# Altium PCB pycyby.PcbDoc (part 2 of 2) (continued)
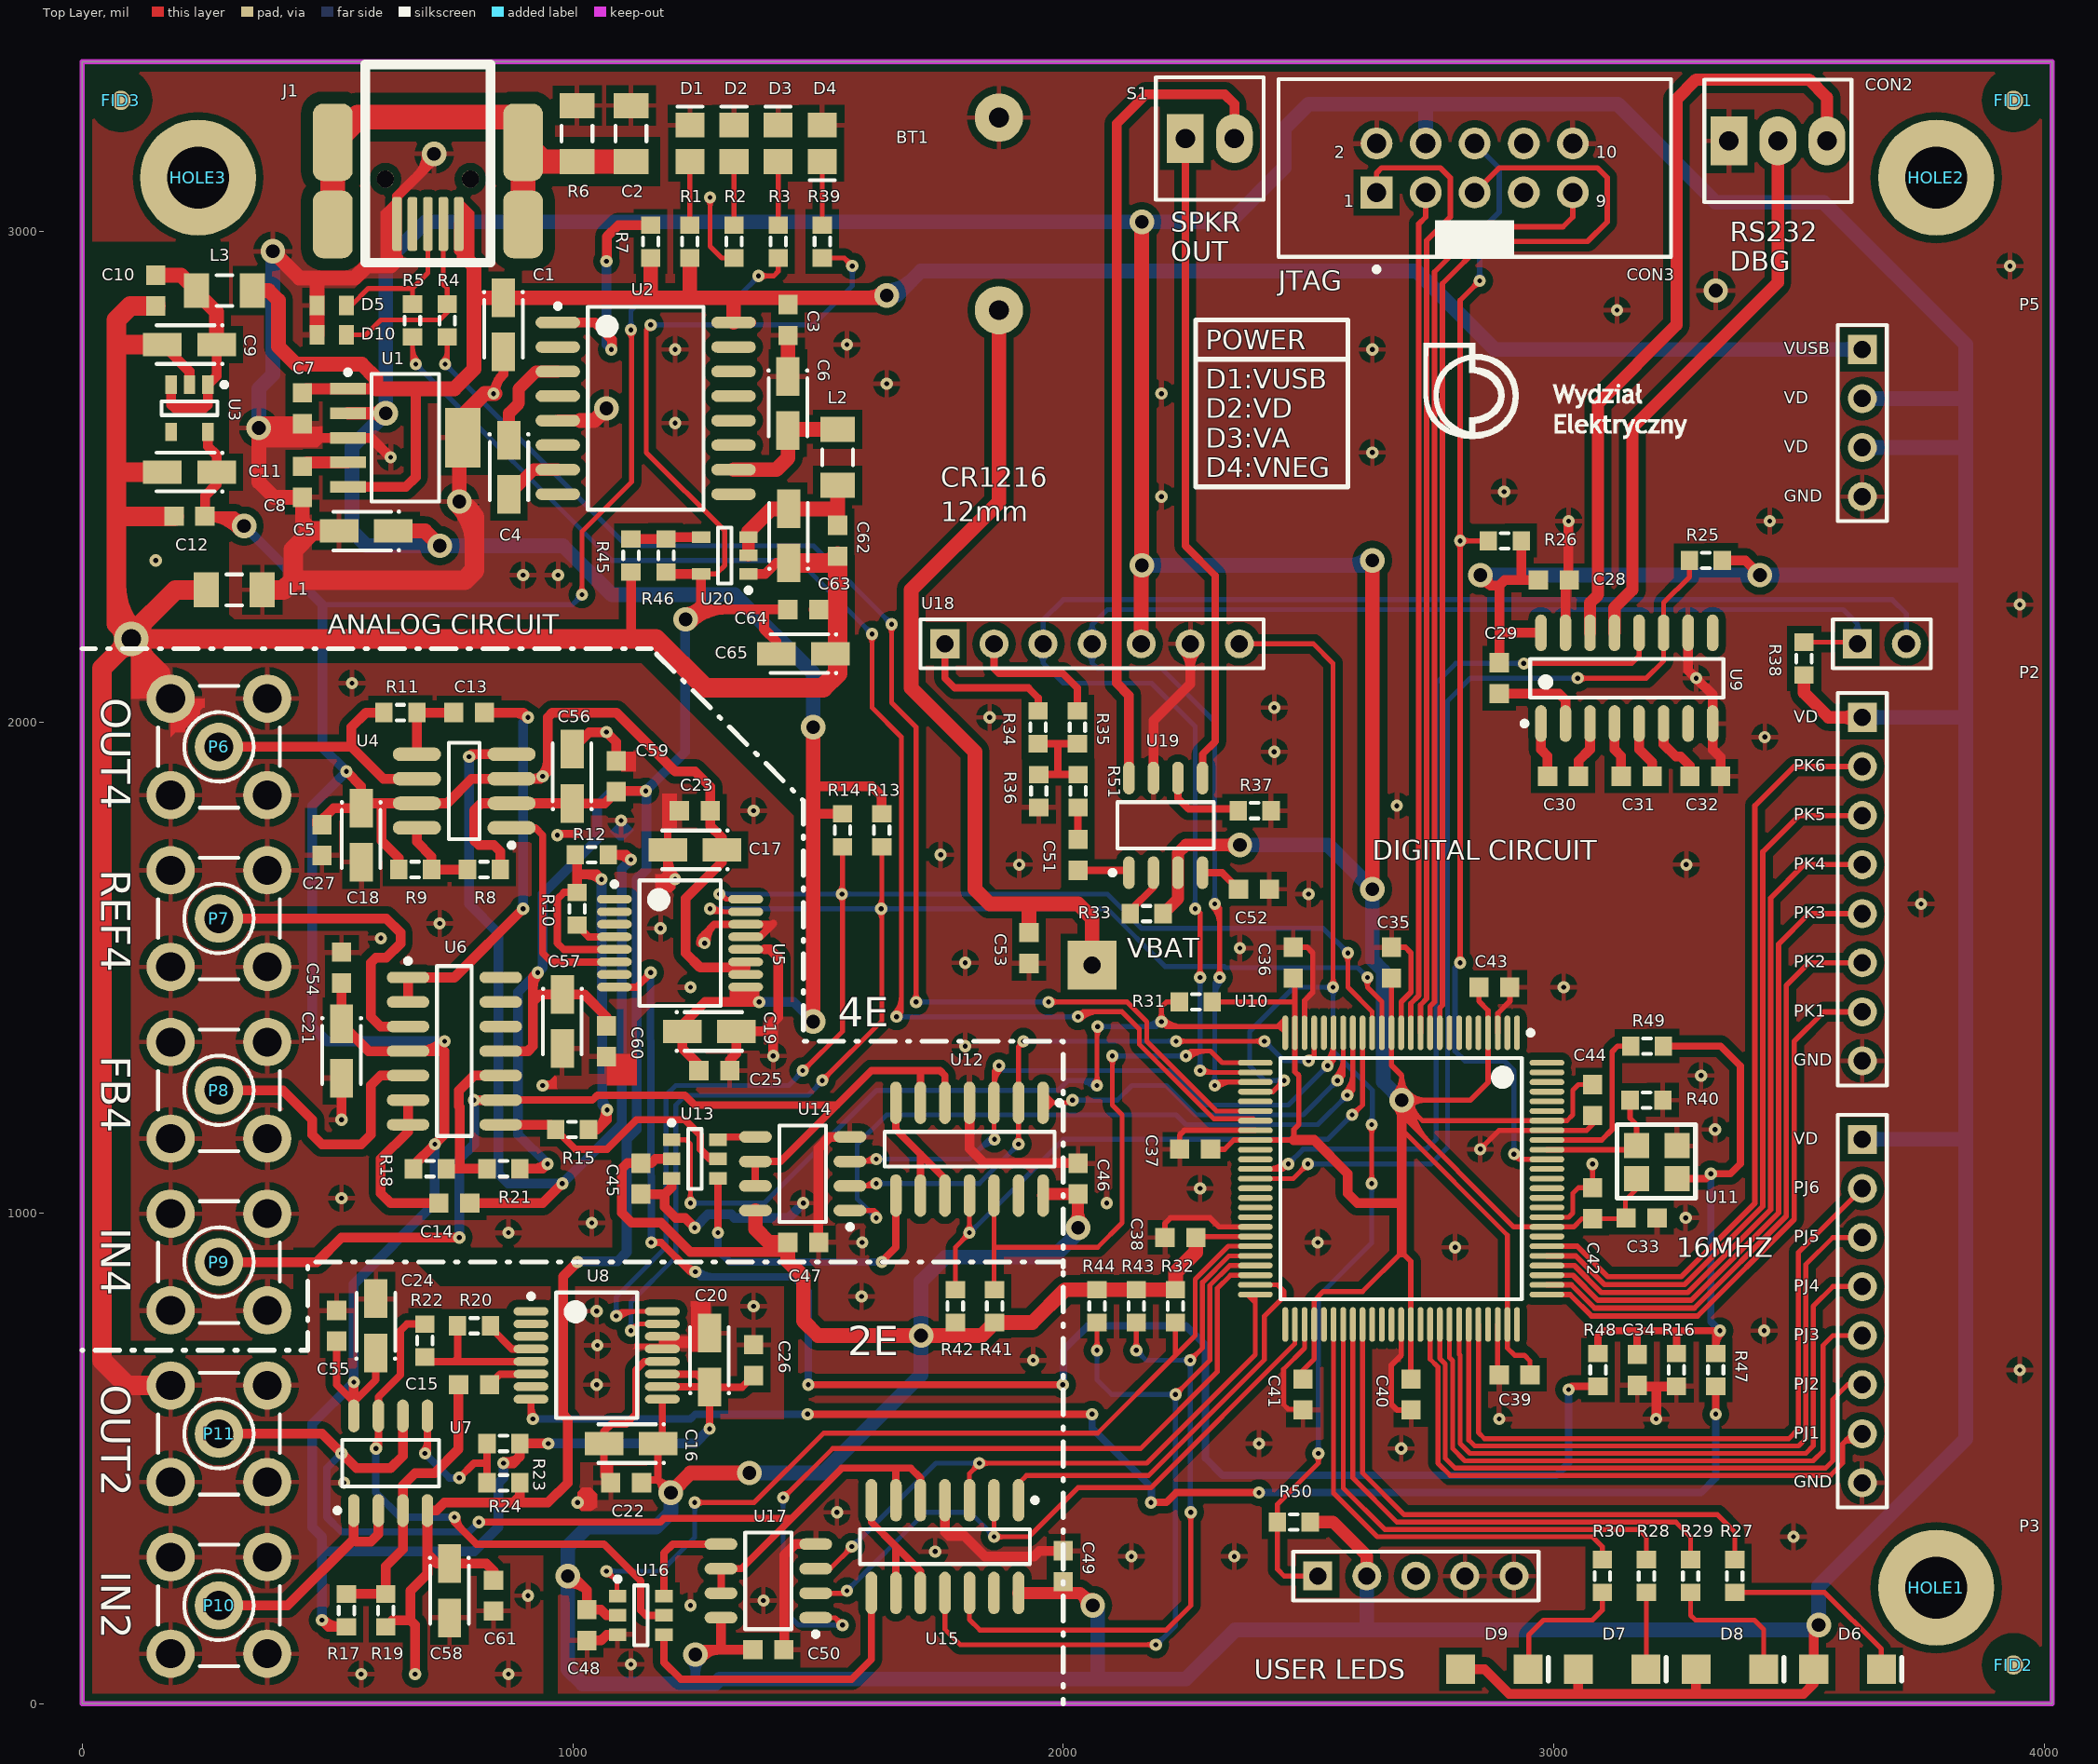
[diagram p0: Top Layer view]
## Nets (pads, with @x,y where several pads share a name; then routed paths per layer and width w, separated by ;. In a path a pad name is that pad's centre, name@x,y a point inside that pad or via, vN(x,y) a via of type N, cw(c..) or ccw(c..) an arc to the next point about the centre after c; other vN are vias at no path point) (continued)
  Bottom Layer w10: v1@1083.44,795.3 ccw(c1070.63,808.11) 1088.74,808.11 ccw(c1106.85,808.11) v1@1094.04,795.3 ; v1(1088.74,790) 1088.74,828.74 1190,930 1190,1240 1210,1260 1440,1260 v1@1470,1290 ; v1(1298.74,1650) v1(1548.74,1650) 2090,1650 2160,1580 2530,1580 v1(2580,1530) ; v1@1304.04,1644.7 cw(c1316.85,1631.89) 1316.85,1650 cw(c1316.85,1668.11) v1@1304.04,1655.3 ; 1455.05,1275.05 ccw(c1440.09,1290) v1@1461.24,1290 ; 1458.09,1278.09 cw(c1468.74,1267.43) v1@1468.74,1282.5 ; v1@1543.44,1644.7 ccw(c1530.63,1631.89) 1530.63,1650 ccw(c1530.63,1668.11) v1@1543.44,1655.3 ; v1@1554.04,1644.7 cw(c1566.85,1631.89) 1566.85,1650 cw(c1566.85,1668.11) v1@1554.04,1655.3 ; v1@2572.5,1530 ccw(c2554.39,1530) 2567.2,1542.8 ccw(c2580,1555.61) v1@2580,1537.5
SDA: R13.2 U5.15 U8.15 U10.15 | length 3354.9
  Top Layer w10: v1@1118.74,767.5 ccw(c1118.74,788.65) 1133.69,773.69 ; v1@1120,760 1133.98,773.98 U8.15@1182.6,773.98 ; v1@1126.24,760 cw(c1141.31,760) 1130.65,770.65 ; v1(1280,1620) 1286.02,1613.98 U5.15@1352.6,1613.98 ; v1@1285.3,1625.3 ccw(c1312.65,1652.65) 1312.65,1613.98 ; v1(1508.74,1270) 1630,1391.26 R13.2@1630,1746.54 ; v1@1508.74,1277.5 ccw(c1508.74,1295.61) 1521.54,1282.8 ccw(c1534.35,1270) v1@1516.24,1270 ; v1@1623.44,1614.7 cw(c1607.59,1598.85) 1630,1598.85 ; v1@1623.44,1625.3 ccw(c1607.59,1641.15) 1630,1641.15 ; 1630,1604.93 cw(c1643.81,1604.93) v1@1634.04,1614.7 ; 1630,1635.07 ccw(c1643.81,1635.07) v1@1634.04,1625.3 ; v1@2614.7,1474.7 cw(c2601.89,1461.89) 2620,1461.89 cw(c2638.11,1461.89) v1@2625.3,1474.7 ; v1(2620,1480) 2620,1460 2649.37,1430.63 U10.15@2649.37,1367.24
  Bottom Layer w10: v1@1113.44,765.3 ccw(c1100.63,778.11) 1118.74,778.11 ccw(c1136.85,778.11) v1@1124.04,765.3 ; v1(1118.74,760) 1118.74,818.74 1210,910 1210,1220 1230,1240 1480,1240 v1@1510,1270 ; v1(1280,1620) 2090,1620 2207.5,1502.5 2328.06,1502.5 2330.56,1500 2600,1500 v1(2620,1480) ; v1@1285.3,1614.7 cw(c1298.11,1601.89) 1298.11,1620 cw(c1298.11,1638.11) v1@1285.3,1625.3 ; 1495.05,1255.05 ccw(c1480.09,1270) v1@1501.24,1270 ; 1498.09,1258.09 cw(c1508.74,1247.43) v1@1508.74,1262.5 ; v1@1623.44,1614.7 ccw(c1610.63,1601.89) 1610.63,1620 ccw(c1610.63,1638.11) v1@1623.44,1625.3 ; v1@1634.04,1614.7 cw(c1646.85,1601.89) 1646.85,1620 cw(c1646.85,1638.11) v1@1634.04,1625.3 ; v1@2612.5,1480 ccw(c2594.39,1480) 2607.2,1492.8 ccw(c2620,1505.61) v1@2620,1487.5
  other v1: 1628.74,1620
SHIELD: C2.2 J1.6 J1.7 J1.8 J1.9 R6.2 | length 1024.4
  Top Layer w50: J1.8@510.83,3014.76 J1.9@510.83,3182.09 562.27,3233.53 886.47,3233.53 898.62,3221.38 J1.7@898.62,3182.09 ; J1.6@898.62,3014.76 J1.7@898.62,3182.09 ; C2.2@1118.74,3142.91 R6.2@1008.74,3142.91 937.8,3142.91 J1.7@898.62,3182.09
TCK: CON3.1 U10.11 | length 1970.4
  Top Layer w11: CON3.1@2638.58,3079.92 2638.58,3119.84 2648.74,3130 2768.74,3130 2788.74,3110 2788.74,3030 2740.74,2982 2740.74,1436.75 2728.11,1424.12 U10.11@2728.11,1367.24
TDI: CON3.9 U10.10 | length 1932.7
  Top Layer w11: U10.10@2747.8,1367.24 2747.8,1421.17 2756.74,1430.12 2756.74,2918 2848.74,3010 3018.74,3010 3038.58,3029.84 CON3.9@3038.58,3079.92
TDO: CON3.3 U10.12 | length 1725.2
  Top Layer w11: U10.12@2708.43,1367.24 2708.43,1427.06 2724.74,1443.37 2724.74,3016 2738.58,3029.84 CON3.3@2738.58,3079.92
TMS: CON3.5 U10.9 | length 2306.3
  Top Layer w11: U10.9@2767.48,1367.24 2767.48,1418.23 2772.74,1423.49 2772.74,2894 2858.74,2980 3068.74,2980 3108.74,3020 3108.74,3110 3088.74,3130 2888.66,3130 CON3.5@2838.58,3079.92
USB.DN_USB: R4.2 U10.31 | length 3009.3
  Top Layer w10: v1@734.7,2735.3 ccw(c712.01,2757.99) 744.09,2757.99 ; v1(740,2730) 744.09,2734.09 R4.2@744.09,2785.43 ; v1@1644.7,2194.7 cw(c1631.89,2181.89) 1650,2181.89 cw(c1668.11,2181.89) v1@1655.3,2194.7 ; v1(1650,2200) 1650,2040 1700,1990 v1(1700,1430) ; v1@1694.7,1435.3 ccw(c1681.89,1448.11) 1700,1448.11 ccw(c1718.11,1448.11) v1@1705.3,1435.3 ; v1(1970,1430) 2130,1430 2170,1390 2170,1350 2312.2,1207.8 U10.31@2391.5,1207.8 ; v1@1975.3,1424.7 cw(c1988.11,1411.89) 1988.11,1430 cw(c1988.11,1448.11) v1@1975.3,1435.3
  Bottom Layer w10: v1@740,2722.5 cw(c740,2704.39) 752.8,2717.2 cw(c765.61,2730) v1@747.5,2730 ; v1(740,2730) 1110,2360 1491.21,2360 1491.21,2358.79 v1(1650,2200) ; v1@1642.5,2200 ccw(c1624.39,2200) 1637.2,2212.8 ccw(c1650,2225.61) v1@1650,2207.5 ; v1(1700,1430) v1(1970,1430) ; v1@1705.3,1424.7 cw(c1718.11,1411.89) 1718.11,1430 cw(c1718.11,1448.11) v1@1705.3,1435.3 ; v1@1964.7,1424.7 ccw(c1951.89,1411.89) 1951.89,1430 ccw(c1951.89,1448.11) v1@1964.7,1435.3
USB.DP_USB: R5.2 U10.32 | length 3209.1
  Top Layer w10: 673.23,2764.45 ccw(c714.45,2764.45) v1@685.3,2735.3 ; R5.2@673.23,2785.43 673.23,2736.77 v1(680,2730) ; v1@1604.7,2174.7 cw(c1591.89,2161.89) 1610,2161.89 cw(c1628.11,2161.89) v1@1615.3,2174.7 ; v1(1610,2180) 1610,2030 1670,1970 1670,1410 ; v1@1654.7,1405.3 ccw(c1617.75,1442.25) 1670,1442.25 ; v1(1660,1400) 1670,1410 ; v1@1661.42,1407.37 ccw(c1663.22,1416.78) 1670,1410 ; v1@1661.77,1398.23 ccw(c1641.89,1418.11) 1670,1418.11 ; v1@1667.37,1401.42 cw(c1676.77,1403.22) 1670,1410 ; v1@2028.23,1401.77 cw(c2048.11,1381.89) 2048.11,1410 ; v1(2030,1400) 2040,1410 ; v1@2031.42,1407.37 ccw(c2033.22,1416.78) 2040,1410 ; v1@2035.3,1394.7 cw(c2072.25,1357.75) 2072.25,1410 ; v1@2037.37,1401.42 cw(c2046.77,1403.22) 2040,1410 ; U10.32@2391.5,1188.11 2387.72,1191.89 2306.9,1191.89 2155,1343.79 2155,1375 2120,1410 2040,1410
  Bottom Layer w10: v1@680,2722.5 cw(c680,2704.39) 692.8,2717.2 cw(c705.61,2730) v1@687.5,2730 ; v1(680,2730) 1080,2330 1460,2330 v1(1610,2180) ; v1@1602.5,2180 ccw(c1584.39,2180) 1597.2,2192.8 ccw(c1610,2205.61) v1@1610,2187.5 ; v1(1660,1400) v1(2030,1400) ; v1@1665.3,1394.7 cw(c1678.11,1381.89) 1678.11,1400 cw(c1678.11,1418.11) v1@1665.3,1405.3 ; v1@2024.7,1394.7 ccw(c2011.89,1381.89) 2011.89,1400 ccw(c2011.89,1418.11) v1@2024.7,1405.3
VA: C11.1 C12.2 C17.1 C18.1 C20.1 C21.1 C23.2 C24.1 C26.2 C27.2 C54.2 C55.2 R3.2 R9.1 R17.1 R18.1 R23.1 U3.5 U4.3 U4.7 U5.10 U5.11 U6.4 U7.8 U8.10 U8.11 | length 8906.2
  Top Layer w10: v1@1013.44,2265.3 ccw(c1000.63,2278.11) 1018.74,2278.11 ccw(c1036.85,2278.11) v1@1024.04,2265.3 ; v1(1018.74,2260) 1018.74,2388.74 1120,2490 v1@1120,2800 ; v1@1113.44,2794.7 cw(c1097.59,2778.85) 1120,2778.85 ; 1120,2784.93 cw(c1133.81,2784.93) v1@1124.04,2794.7 ; v1(1378.74,2910) 1410,2910 1418.74,2918.74 R3.2@1418.74,2946.54 ; v1@1384.04,2904.7 cw(c1396.85,2891.89) 1396.85,2910 cw(c1396.85,2928.11) v1@1384.04,2915.3
  Top Layer w15: C55.2@518.74,738.5 518.74,650 U7.8@553.74,615 ; U7.8@553.74,586.46 U7.8@553.74,615 ; C24.1@598.74,714.88 598.74,660 U7.8@553.74,615 ; U8.10@1182.6,646.02 1277.6,646.02 1252.01,671.61 U8.11@1182.6,671.61 ; v1(1278.74,560) C20.1@1278.74,644.88 1345.12,644.88 C26.2@1368.74,668.5
  Top Layer w20: U3.5@256.14,2591.77 256.14,2562.6 273.86,2544.88 C11.1@273.86,2510 273.86,2485.12 250.24,2461.5 C12.2@250.24,2420 ; 295.82,2420 cw(c295.82,2368.55) v2@333.68,2403.39 ; v2@315.27,2402.83 ccw(c296.45,2406.45) 310,2420 ; v2@318.96,2389.84 ccw(c250.24,2326.62) C12.2@250.24,2420 ; v2@327.17,2414.73 cw(c323.55,2433.55) 310,2420 ; v2(330,2400) 310,2420 ; C27.2@478.74,1800 478.74,1791.5 512.36,1825.12 C18.1@558.74,1825.12 ; v1(488.74,170) 502.2,156.54 R17.1@538.74,156.54 ; v1@490.51,171.77 ccw(c527.28,208.54) R17.1@527.28,156.54 ; C54.2@528.74,1468.5 C21.1@528.74,1385.12 583.86,1330 U6.4@664.25,1330 738.74,1330 738.74,1160 v1(718.74,1140) 675.28,1096.54 R18.1@675.28,1090 ; v1(538.74,1900) 568.74,1870 C18.1@568.74,1835 ; U7.8@553.74,615 v1(553.74,655) ; C18.1@568.74,1825.12 C18.1@568.74,1835 ; 610,1835 610,1758.74 645.28,1723.46 R9.1@645.28,1700 ; U6.4@684.42,1330 ccw(c684.42,1404.32) v1@736.97,1351.77 ; v1(858.74,490) 878.74,490 892.2,503.46 ; v1@859.1,492.47 ccw(c864.7,530.97) 892.2,503.46 ; U4.3@920.63,1885 ccw(c920.63,1908.11) 936.97,1891.77 ccw(c908.56,1920.18) 948.74,1920.18 ; v1(950,530) R23.1@892.2,530 892.2,503.46 ; 1352.6,1500 1260,1500 1230,1530 1230,1641.26 1303.86,1715.12 C17.1@1303.86,1740 1303.86,1764.88 1280.24,1788.5 C23.2@1280.24,1820 1280.24,1868.5 1248.74,1900 1208.74,1900 1088.74,2020 958.74,2020 948.74,2010 948.74,1900 933.74,1885 U4.3@875.2,1885 793.74,1885 743.74,1835 U4.7@682.28,1835 C18.1@568.74,1835 ; C12.2@250.24,2420 310,2420
  Bottom Layer w10: 490,2240 1000,2240 v1@1020,2260 ; 1005.05,2245.05 ccw(c990.09,2260) v1@1011.24,2260 ; 1008.09,2248.09 cw(c1018.74,2237.43) v1@1018.74,2252.5 ; v1@1113.44,2805.3 ccw(c1100.63,2818.11) 1118.74,2818.11 ccw(c1136.85,2818.11) v1@1124.04,2805.3 ; v1(1118.74,2800) 1118.74,2838.74 1150,2870 1340,2870 v1@1379.37,2909.37 ; 1365.05,2895.05 ccw(c1350.09,2910) v1@1371.24,2910 ; 1368.09,2898.09 cw(c1378.74,2887.43) v1@1378.74,2902.5
  Bottom Layer w20: v2(330,2400) 490,2240 490,1948.74 v1(538.74,1900) 468.74,1830 468.74,1380 498.74,1350 v1(738.74,1350) ; v1(488.74,170) 488.74,310 ; v1(718.74,1140) 718.74,1020 553.74,855 v1(553.74,655) 468.74,570 468.74,360 488.74,340 488.74,310 ; v1(858.74,490) 858.74,460 848.74,450 848.74,360 798.74,310 488.74,310 ; v1(950,530) 1248.74,530 v1(1278.74,560)
  other v1: 938.74,1890
VBAT: BT1.1 C53.2 U18.15 | length 1725.7
  Top Layer w30: BT1.1@1868.74,2840 1868.74,2448.74 1690,2270 1690,2070 1820,1940 1820,1660 1850,1630 1930,1630 ; C53.2@1930,1571.5 1930,1630 ; U18.15@2058.74,1505 2058.74,1601.26 2030,1630 1930,1630
VD: C5.1 C16.1 C19.1 C22.2 C25.2 C28.2 C29.2 C33.2 C35.2 C36.2 C37.2 C38.2 C39.2 C40.2 C41.2 C42.2 C43.2 C44.2 C45.2 C46.2 C47.2 C48.2 C49.2 C50.2 CON3.4 D6.1 D7.1 D8.1 D9.1 P2.1 P3.1 P5.2 P5.3 R2.2 R13.1 R14.1 R25.2 R26.2 R31.2 R32.2 R33.1 R38.2 R41.2 R42.2 R43.2 R44.2 R50.1 U1.2 U5.9 U8.9 U9.16 U10.4 U10.14 U10.24 U10.34 U10.44 U10.54 U10.64 U10.74 U10.83 U10.94 U11.4 U12.14 U13.2 U14.8 U15.14 U16.2 U17.8 U18.5 U18.9 U19.3 | length 29773.2
  Top Layer w10: v1@1274.7,3064.7 cw(c1261.89,3051.89) 1280,3051.89 cw(c1298.11,3051.89) v1@1285.3,3064.7 ; v1(1280,3070) 1280,2970 1303.46,2946.54 R2.2@1328.74,2946.54 ; R31.2@2303.46,1430 2472.2,1430 ; C41.2@2488.74,661.5 2488.74,680 2511.57,702.83 U10.54@2511.57,772.76 2511.57,821.57 2530,840 2610,840 2690,920 ; v2@2680,1230 ccw(c2728.28,1230) 2694.14,1195.86 ; 2690,1170 2905.28,954.72 U10.74@2905.28,772.76 2905.28,724.72 2920,710 2940,710 2951.5,698.5 C39.2@2951.5,670 ; 2690,1200 2918.43,971.57 U10.83@2985.98,971.57 3040.31,971.57 3057.24,988.5 C42.2@3078.74,988.5 3145.75,988.5 3145.75,1025.75 3168.74,1048.74 U11.4@3168.74,1070 ; v2@2690,1210 cw(c2690,1161.72) 2724.14,1195.86 cw(c2758.28,1230) 2710,1230 ccw(c2830.71,1230) 2745.36,1144.64 ; v2@2700,1230 ccw(c2796.57,1230) 2728.28,1161.72 ; 2711.21,1178.79 cw(c2762.43,1230) v2(2690,1230) 2731.89,1188.11 U10.94@2985.98,1188.11 3026.85,1188.11 3038.74,1200 3038.74,1250 3050.24,1261.5 C44.2@3078.74,1261.5
  Top Layer w11: C38.2@2270.24,950 2272.13,951.89 U10.44@2391.5,951.89 ; C37.2@2300.24,1130 2328.74,1130 2347.48,1148.74 U10.34@2391.5,1148.74 2470,1148.74 2470,1170 2480,1180 2480,1280 2472.2,1287.8 U10.24@2472.2,1367.24 2472.2,1430 2472.2,1475.04 C36.2@2468.74,1478.5 ; C35.2@2668.74,1478.5 2669.06,1478.19 U10.14@2669.06,1367.24 2669.06,1300.94 2690,1280 v2(2690,1230) 2830,1230 2865.91,1265.91 U10.4@2865.91,1367.24 2865.91,1412.83 2847.24,1431.5 C43.2@2847.24,1460 ; v2@2676.21,1243.79 ccw(c2642.92,1277.08) 2690,1277.08 ccw(c2737.08,1277.08) 2703.79,1243.79 ccw(c2737.08,1277.08) 2737.08,1230 ccw(c2737.08,1182.92) v2@2703.79,1216.21 ; 2690,920 2708.43,901.57 U10.64@2708.43,772.76 2708.43,661.81 C40.2@2708.74,661.5
  Top Layer w15: C22.2@1140.24,450 1146.38,456.14 1173.86,456.14 ; v2@1182.59,431.73 ccw(c1152.44,434.72) 1173.86,456.14 ; U8.9@1182.6,620.43 1182.6,538.74 C16.1@1173.86,530 1173.86,456.14 ; v2@1198.27,447.41 cw(c1195.28,477.56) 1173.86,456.14 ; v2(1200,430) 1173.86,456.14
  Top Layer w20: v2(990,260) 1000,260 1028.74,231.26 ; v2@991.22,245.05 cw(c995.07,197.6) 1028.74,231.26 ; U16.2@1091.5,180 1068.74,180 1057.24,191.5 C48.2@1028.74,191.5 1028.74,231.26 ; U13.2@1201.5,1110 1168.74,1110 1160.24,1101.5 C45.2@1138.74,1101.5 1111.5,1101.5 1100,1090 1100,1000 1120,980 1180,980 1239.25,920.75 C47.2@1438.5,920.75 ; v2(1250,100) 1260,110 1300,110 ; C25.2@1257.24,1290 1257.24,1301.5 1223.62,1335.12 C19.1@1223.62,1370 1223.62,1383.62 1270,1430 v1(1380,1430) ; v2@1262,91 cw(c1300,62.5) 1300,110 ; U17.8@1302.28,175 1302.28,112.28 1300,110 ; C50.2@1367.24,110 1300,110 ; 1490,1810 1493.46,1813.46 R14.1@1550,1813.46 ; 1490,1870 1610,1870 1630,1850 R13.1@1630,1813.46 ; 2470,1148.74 2511.26,1148.74 2580,1080 2580,1040 2600,1020 2690,1020 ; v2@2679.39,1219.39 cw(c2653.79,1193.79) 2690,1193.79 cw(c2726.21,1193.79) v2@2700.61,1219.39 ; 2690,920 2690,1020 ; v2(2690,1230) 2690,1200 ; D9.1@2809.84,70 2858.74,70 2908.74,20 3048.74,20 ; v2(2850,2300) 2871.26,2278.74 ; v2@2852.1,2285.15 cw(c2855.26,2262.74) 2871.26,2278.74 ; v2@2864.85,2297.9 ccw(c2887.26,2294.74) 2871.26,2278.74 ; C29.2@2888.74,2121.5 2888.74,2180 ; R26.2@2933.46,2360 2933.46,2290.79 2934.25,2290 ; C28.2@2968.5,2290 2934.25,2290 ; U9.16@2973.74,2182.52 2891.26,2182.52 2888.74,2180 ; D7.1@3049.84,70 3049.84,21.1 3048.74,20 ; D8.1@3289.84,70 3289.84,21.1 3288.74,20 ; R25.2@3343.46,2330 3390,2330 v2(3420,2300) ; v2(3540,160) 3529.84,149.84 D6.1@3529.84,70 3529.84,41.1 3508.74,20 3288.74,20 ; 2690,1020 2690,1170 2690,1200 ; 2690,1200 ccw(c2667.5,1200) 2681,1218 cw(c2667.5,1200) 2690,1200 ; 2690,1200 cw(c2712.5,1200) 2699,1218 ccw(c2712.5,1200) 2690,1200 ; 2871.26,2278.74 2888.74,2278.74 ; 2888.74,2180 2888.74,2278.74 ; 2888.74,2278.74 2900,2290 2934.25,2290 ; 3048.74,20 3288.74,20
  Top Layer w25: U1.2@541.61,2630 v2(618.74,2630) ; v2@609.9,2621.16 ccw(c588.56,2599.82) 588.56,2630 ccw(c588.56,2660.18) v2@609.9,2638.84 ; U15.14@1908.74,225.51 2034.49,225.51 v2(2060,200) ; U12.14@1958.74,1035.51 1961.73,1038.5 C46.2@2030,1038.5 v2(2030,970) ; v2@2021.16,978.84 ccw(c1999.82,1000.18) 2030,1000.18 ccw(c2060.18,1000.18) v2@2038.84,978.84 ; v2@2047.5,200 ccw(c2017.32,200) 2038.66,221.34 ccw(c2060,242.68) v2@2060,212.5 ; R33.1@2203.46,1610 2233.74,1640.28 U19.3@2233.74,1693.54 2233.74,1733.74 2250,1750 v2(2360,1750) ; v2@2351.16,1741.16 ccw(c2329.82,1719.82) 2329.82,1750 ccw(c2329.82,1780.18) v2@2351.16,1758.84 ; R50.1@2503.46,370 2550,370 2618.74,301.26 U18.9@2618.74,260 ; R38.2@3510,2096.54 3510,2060 3560,2010 P2.1@3628.74,2010 ; P2.1@3616.7,1997.96 ccw(c3587.63,1968.89) 3587.63,2010 ccw(c3587.63,2051.11) P2.1@3616.7,2022.04
  Top Layer w30: C5.1@633.86,2390 698.74,2390 v2(728.74,2360) ; v2(1200,430) 1240,470 v2(1360,470) ; U14.8@1372.28,1005 1372.28,967.72 1400,940 C47.2@1438.5,940 1438.5,920.75 1438.5,901.5 1470,870 1470,780 1500,750 v2(1710,750) 1780,750 ; v2(1490,1390) 1490,1810 1490,1870 v2(1490,1990) ; R42.2@1780,776.54 1780,750 ; U18.5@2158.74,2160 2158.74,2318.74 v2(2160,2320) v2(2160,3020) ; 2158.74,2292.82 cw(c2187.18,2292.82) v2@2167.07,2312.93 ; C38.2@2270.24,950 2270.24,920.24 2228.74,878.74 R32.2@2228.74,843.46 R43.2@2148.74,843.46 R44.2@2068.74,843.46 2003.46,843.46 1936.54,776.54 R41.2@1860,776.54 1833.46,750 1780,750 ; v2(2630,1660) v2(2630,2330)
  Bottom Layer w10: v1@1274.7,3064.7 cw(c1261.89,3051.89) 1280,3051.89 cw(c1298.11,3051.89) v1@1285.3,3064.7 ; 1280,3020 v1(1280,3070)
  Bottom Layer w20: v2@1239.39,89.39 cw(c1213.79,63.79) 1250,63.79 cw(c1286.21,63.79) v2@1260.61,89.39 ; 1250,40 v2(1250,100) ; v1(1380,1430) 1450,1430 v2(1490,1390)
  Bottom Layer w30: v2(1200,430) 1200,390 1170,360 1030,360 990,320 v2(990,260) 990,70 1020,40 1250,40 1290,40 1300,50 2070,50 ; v2(1360,470) 1510,470 1710,670 v2(1710,750) 1710,860 1760,910 1980,910 2030,960 v2(2030,970) v2@2030,980 ; v2(1490,1990) 1490,2100 1330,2260 1080,2260 980,2360 v2(728.74,2360) 580,2360 550,2390 550,2561.26 v2(618.74,2630) 618.74,2938.74 700,3020 1280,3020 v2@2150,3020 ; v2(2060,200) 2070,190 2070,50 ; v2@2147.5,3017.5 v2@2150,3020 ; v2(2160,2320) 2620,2320 v2(2630,2330) ; v2(2360,1750) 2540,1750 v2(2630,1660) 2630,1515.96 2652.5,1493.46 2652.5,1267.5 v2(2690,1230) ; U18.9@2618.74,260 2618.74,151.26 2620,150 ; CON3.4@2738.58,3179.92 2738.58,3258.58 2740,3260 ; v2(2850,2300) v2(3420,2300) 3840,2300 ; P3.1@3628.74,1150 3840,1150 ; P2.1@3628.74,2010 3840,2010 ; P5.3@3628.74,2560 3840,2560 ; P5.2@3628.74,2660 3830,2660 3840,2650 ; P3.1@3639.01,1139.73 cw(c3663.81,1114.93) 3663.81,1150 cw(c3663.81,1185.07) P3.1@3639.01,1160.27 ; P2.1@3639.01,1999.73 cw(c3663.81,1974.93) 3663.81,2010 cw(c3663.81,2045.07) P2.1@3639.01,2020.27 ; 2070,50 2250,50 2350,150 2620,150 ; v2@2150,3020 v2(2160,3020) 2340,3020 2450,3130 2450,3210 2500,3260 2740,3260 ; 2620,150 3530,150 v2(3540,160) 3540,240 3840,540 3840,1150 ; 2740,3260 3130,3260 3330,3060 3550,3060 3840,2770 3840,2650 ; 3840,1150 3840,2010 ; 3840,2010 3840,2300 ; 3840,2300 3840,2560 ; 3840,2560 3840,2650 ; 2581.72,2320 ccw(c2581.72,2378.28) 2622.93,2337.07 cw(c2581.72,2378.28) 2581.72,2320
VNEG: C56.1 C57.1 C58.1 C59.2 C60.2 C61.2 C64.1 C65.2 R8.2 R19.2 R21.2 R24.2 R39.1 R46.2 U4.2 U6.11 U7.4 U20.5 | length 6793.7
  Top Layer w10: v1@1151.68,2807.47 cw(c1144.94,2805.06) 1150,2800 ; v1@1157.69,2802.57 ccw(c1156.43,2793.57) 1150,2800 ; v1@1160,2810 1150,2800 ; U20.5@1261.77,2302.6 1292.6,2302.6 1310,2320 1310,2390 1150,2550 1150,2800 ; R39.1@1508.74,2946.54 1553.46,2946.54 v1(1570,2930) ; v1@1562.5,2930 ccw(c1544.39,2930) 1557.2,2942.8 ccw(c1570,2955.61) v1@1570,2937.5
  Top Layer w20: R19.2@618.74,156.54 632.2,170 668.74,170 ; v1(678.74,60) 678.74,160 668.74,170 ; C61.2@838.74,251.5 838.74,270 823.62,285.12 C58.1@748.74,285.12 723.62,285.12 703.74,305 ; R8.2@852.2,1700 852.2,1736.54 838.74,1750 808.74,1750 798.74,1760 798.74,1820 813.74,1835 U4.2@875.2,1835 998.62,1835 C56.1@998.74,1834.88 1065.12,1834.88 C59.2@1088.74,1858.5 1090.24,1860 v1(1148.74,1860) ; U6.11@853.23,1330 908.74,1330 918.74,1340 918.74,1430 ; R24.2@892.2,450 892.2,423.46 878.74,410 ; R21.2@892.2,1090 938.74,1090 v1(948.74,1100) ; 918.56,1090 ccw(c918.56,1130.18) v1@946.97,1101.77 ; 918.74,1459.82 cw(c958.92,1459.82) v1@930.51,1488.23 ; 918.74,1475.86 cw(c930.49,1475.86) v1@929.05,1487.52 ; v1(928.74,1490) 918.74,1480 918.74,1430 ; v1(1010,900) 980,870 980,590 990,580 990,450 970,430 968.74,430 948.74,410 878.74,410 ; C60.2@1068.74,1381.5 1068.74,1400 1023.62,1445.12 C57.1@978.74,1445.12 933.86,1445.12 918.74,1430 ; R46.2@1190,2306.54 1193.94,2302.6 U20.5@1261.77,2302.6 1261.77,2241.77 1250,2230 ; v2@1226.46,2213.54 cw(c1266.21,2173.79) 1266.21,2230 ; v2@1230,2225 ccw(c1230,2261.21) 1255.61,2235.61 ccw(c1281.21,2210) v2@1245,2210 ; v2@1232.83,2224.73 ccw(c1236.45,2243.55) 1250,2230 ; v2@1240.61,2199.39 cw(c1314.5,2125.5) 1314.5,2230 ; v2@1244.73,2212.83 cw(c1263.55,2216.45) 1250,2230 ; C65.2@1414.88,2140 1414.88,2165.12 1390,2190 1390,2230 ; C64.1@1438.5,2230 1390,2230 ; 668.74,170 668.74,230 703.74,265 703.74,305 ; 703.74,305 U7.4@703.74,393.54 722.28,393.54 738.74,410 878.74,410 ; 1250,2230 1390,2230
  Bottom Layer w10: v1(1158.74,2810) 1490,2810 1570,2890 v1(1570,2930) ; v1@1164.04,2804.7 cw(c1176.85,2791.89) 1176.85,2810 cw(c1176.85,2828.11) v1@1164.04,2815.3 ; v1@1564.7,2924.7 cw(c1551.89,2911.89) 1570,2911.89 cw(c1588.11,2911.89) v1@1575.3,2924.7
  Bottom Layer w20: v1(948.74,1100) 888.74,1160 888.74,1450 v1(928.74,1490) 938.74,1500 938.74,1650 1050,1761.26 1050,1830 1080,1860 v1(1148.74,1860) ; v1@1010,901.26 1091.26,901.26 1110,920 1110,1150 1130,1170 1130,1680 1150,1700 1150,1858.74 v1(1148.74,1860) ; v2(1230,2210) 1228.74,2208.74 1228.74,1940 v1(1148.74,1860)
VUSB: C1.1 C3.2 C7.2 J1.1 L3.1 P5.1 R1.2 R7.2 U1.1 U1.5 U2.16 | length 4815.9
  Top Layer w20: U1.5@541.61,2480 660,2480 680,2500 680,2670 670,2680 ; J1.1@767.72,3015.75 767.72,2961.02 778.74,2950 ; U2.16@1327.87,2815 U2.16@1363.74,2815
  Top Layer w23: C7.2@448.74,2671.5 457.24,2680 U1.1@541.61,2680 598.74,2680
  Top Layer w30: L3.1@347.09,2880 380,2880 400,2860 400,2765.83 435.83,2730 570,2730 598.74,2701.26 598.74,2680 670,2680 758.74,2680 798.74,2720 798.74,2860 ; 778.74,2950 798.74,2930 798.74,2860 ; R7.2@1158.74,2946.54 1158.74,2866.38 1160,2865.12 ; R1.2@1238.74,2946.54 1238.74,2866.38 1240,2865.12 ; U2.16@1327.87,2815 1327.87,2864.25 1328.74,2865.12 ; v2(1640,2870) 1635.12,2865.12 1328.74,2865.12 ; 798.74,2860 803.86,2865.12 C1.1@858.74,2865.12 1160,2865.12 ; 1160,2865.12 1240,2865.12 ; 1240,2865.12 1328.74,2865.12 ; 1604.07,2865.12 ccw(c1604.07,2905.93) 1632.93,2877.07 cw(c1604.07,2905.93) 1604.07,2865.12
  Bottom Layer w30: v2(1640,2870) 1660,2870 1710,2920 2720,2920 2880,2760 P5.1@3628.74,2760 ; P5.1@3618.47,2749.73 ccw(c3593.67,2724.93) 3593.67,2760 ccw(c3593.67,2795.07) P5.1@3618.47,2770.27 ; v2@1640,2880 ccw(c1640,2952.43) 1691.21,2901.21 cw(c1640,2952.43) v2@1640,2880
pads on no net: CON3.7 CON3.8 FID1.0 FID2.0 FID3.0 HOLE1.0 HOLE2.0 HOLE3.0 J1.4 J1.X J1.Y U2.2 U2.4 U2.6 U2.8 U2.9 U2.11 U2.12 U2.13 U2.14 U2.15 U3.4 U5.1 U5.2 U5.3 U5.7 U6.12 U6.13 U6.14 U8.1 U8.2 U8.3 U8.7 U9.7 U9.9 U10.1 U10.2 U10.5 U10.6 U10.7 U10.8 U10.30 U10.35 U10.36 U10.39 U10.40 U10.41 U10.42 U10.55 U10.60 U10.61 U10.62 U10.65 U10.72 U10.75 U10.82 U10.85 U10.86 U10.87 U10.88 U10.89 U10.95 U10.96 U10.97 U10.98 U10.99 U10.100 U12.13 U15.13 U18.10
copper on no net:
  other v1: 150,2330

## Polygon pours and split planes (outlines as drawn)
AGND on Top Layer "AGND_TOP4" (solid, remove dead copper, pour order 26): 100,740 430,740 430,930 770,930 1080,930 1080,1250 1130,1300 1130,1390 1170,1430 1450,1430 1450,1810 1140,2120 990,2120 200,2120 180,2120 160,2120 100,2060 100,740
AGND on Top Layer "AGND_TOP2" (solid, remove dead copper, pour order 12): 0,0 0,710 460,710 460,900 680,900 730,850 1430,850 1430,580 1000,580 940,520 940,480 940,0 0,0
GND on Top Layer "GNDT_TOP" (solid, remove dead copper, pour order 8): 1480,1400 1180,1400 1160,1380 1160,1230 1160,1090 1160,880 1190,880 1460,880 1460,850 1460,550 970,550 970,510 970,120 970,0 1420,0 4015.75,0 4015.75,3346.46 0,3346.46 0,2980 300,2980 300,2450 300,2220 310,2210 430,2210 1190,2210 1480,1920 1480,1400
AGND on Bottom Layer "AGND_BOTTOM4" (solid, remove dead copper, pour order 24): 100,740 430,740 430,925.49 1078.53,925.49 1080,924.02 1080,979.61 1080,1250 1130,1300 1140,1310 1140,1410 1160,1430 1450,1430 1450,1810 1330,1930 1251.57,1930 1180,1930 990,2120 210,2120 160,2120 101.01,2061.01 100,2060 100,740
AGND on Bottom Layer "AGND_BOTTOM2" (solid, remove dead copper, pour order 14): 0,0 0,710 460,710 460,900 680,900 730,850 1430,850 1430,580 1000,580 980,560 940,520 940,300 940,0 0,0
GND on Bottom Layer "GNDT_BOTTOM" (solid, remove dead copper, pour order 10): 970,0 970,550 1460,550 1460,880 1160,880 1160,1378.99 1158.99,1380 1178.99,1400 1180,1400 1480,1400 1480,1920 1190,2210 300,2210 300,2980 0,2980 0,3346.46 4015.75,3346.46 4015.75,0 970,0

## Keep-outs
Keep-Out Layer:
  the board outline again, w10

## Other copper
Top Layer:
  region net AGND: 969.34,1252.94 940.8,1252.94 938.74,1255 940,1256.26 940,1270 952.8,1270 963.32,1280.51 967.53,1276.29 967.53,1254.75
  region net AGND: 180.32,2048.43 180.32,1970.32 190,1980 210,1980 210,1986.86 239.93,2016.79 239.93,2023.73 246.19,2030 250,2030 250,2050 248.43,2048.43
  region net AGND: 1068.74,1318.5 1070,1317.24 1070,1260 1130,1260 1130,1323.5 1073.74,1323.5
  region net AGND: 120,2120 100,2140 100,2047.18 150,2050 150,2120
  region net AGND: 1200.47,1653.66 1208.74,1661.93 1208.74,1680 1202.32,1680 1186.34,1695.98 1180.36,1690 1168.74,1690 1168.74,1660 1178.74,1650 1182.4,1653.66
  region net GND: 638.74,3070 608.74,3040 608.74,2930 621.73,2942.99 641.73,2942.99 641.73,3057.01 638.74,3060
  region net VUSB: 768.74,3070 798.74,3040 798.74,2940 788.74,2940 767.72,2961.02 768.74,2962.05
  region net AGND: 968.74,1775 968.74,1765 1013.74,1765 1018.74,1770 1018.74,1780 973.74,1780
  region net AGND: 1098.74,1940 1098.74,1900 1128.74,1900 1128.74,1941.52 1127.22,1940
  region net AGND: 1212.24,1785.32 1182.56,1785.32 1182.56,1854.68 1212.24,1854.68
  region net POT_SW1: 2450,1400 2430,1380 2450,1380
  region net #SS01: 1960,1250 1960,1200 1984.49,1224.49 1986.61,1224.49 1961.1,1250
  region net AGND: 1240,820 1240.12,819.88 1240.12,717.8 1277.8,717.8 1280,720 1280,820
  region net AGND: 1182.6,722.8 1184.8,725 1240.12,725 1240.12,749.65 1238.86,748.39 1182.6,748.39
  region net AGND: 1125.92,733.21 1179.39,733.21 1182.6,730 1182.6,722.8 1122.8,722.8 1125.92,725.92
  region net MOSI0: 2387.72,830 2391.5,833.78 2391.5,810 2371.5,830
  region net VD: 1320,1460 1320,1430 1380,1430 1380,1460
  region net GND: 1063.62,490 1076.93,490 1082.24,484.68 1082.24,455 1072.24,455 1063.62,463.62
  region net GND: 1037.2,392.94 1017.06,392.94 1010,400 1010,430.27 1019.73,440 1036.58,440 1050,426.58 1050,400
  region net GND: 360,2600 363.5,2603.5 490.2,2603.5 490.2,2571.47 479.04,2560.31 365,2560.31 365,2595
Bottom Layer:
  region net AGND: 1075.49,1777.53 1097.96,1800 1105.14,1800 1124.51,1780.63 1103.88,1760 1093.01,1760

## Silkscreen, mask and mechanical layers (free items; w line width, h text height)
Top Overlay:
  drawing of 1667 lines, arcs and shapes, not listed
  text "SPKR" at 2218.74,3000 h40
  text "RS232" at 3358.74,2980 h40
  text "OUT" at 2218.74,2940 h40
  text "DBG" at 3358.74,2920 h40
  text "JTAG" at 2438.74,2880 h40
  text "POWER" at 2290,2760 h40
  text "VUSB" at 3468.74,2750 h25
  text "D1:VUSB" at 2290,2680 h40
  text "VD" at 3468.74,2650 h25
  text "D2:VD" at 2290,2620 h40
  text "D3:VA" at 2290,2560 h40
  text "VD" at 3468.74,2550 h25
  text "D4:VNEG" at 2290,2500 h40
  text "CR1216" at 1750,2480 h40
  text "GND" at 3468.74,2450 h25
  text "12mm" at 1750,2410 h40
  text "ANALOG CIRCUIT" at 500,2180 h40
  text "OUT4" at 38.74,2050 h60 r270
  text "VD" at 3488.74,2000 h25
  text "PK6" at 3488.74,1900 h25
  text "PK5" at 3488.74,1800 h25
  text "DIGITAL CIRCUIT" at 2630,1720 h40
  text "REF4" at 38.74,1700 h60 r270
  text "PK4" at 3488.74,1700 h25
  text "PK3" at 3488.74,1600 h25
  text "VBAT" at 2130,1520 h40
  text "PK2" at 3488.74,1500 h25
  text "PK1" at 3488.74,1400 h25
  text "4E" at 1540,1380 h60
  text "FB4" at 38.74,1320 h60 r270
  text "GND" at 3488.74,1300 h25
  text "VD" at 3488.74,1140 h25
  text "PJ6" at 3488.74,1040 h25
  text "IN4" at 38.74,970 h60 r270
  text "PJ5" at 3488.74,940 h25
  text "16MHZ" at 3250,910 h40
  text "PJ4" at 3488.74,840 h25
  text "PJ3" at 3488.74,740 h25
  text "2E" at 1560,710 h60
  text "OUT2" at 38.74,650 h60 r270
  text "PJ2" at 3488.74,640 h25
  text "PJ1" at 3488.74,540 h25
  text "GND" at 3488.74,440 h25
  text "IN2" at 38.74,270 h60 r270
  text "USER LEDS" at 2388.74,50 h40
Bottom Overlay:
  text "Lukasz Przenioslo EiT 13/14" at 3820,500 h60 r270

## Dimensions
0,0 to 0,3346.46 on Mechanical 15
0,3346.46 to 4015.75,3346.46 on Mechanical 15

## Text inside footprints (layer, text, board x,y; h text height)
CON3: Top Overlay "9" at 3085.83,3050.39 h25; Top Overlay "10" at 3085.83,3150.39 h25; Top Overlay "1" at 2571.66,3050.39 h25; Top Overlay "2" at 2551.98,3150.39 h25